# Altium PCB Anki_vector_headboard_ultra_2.PcbDoc (part 3 of 4) (continued)
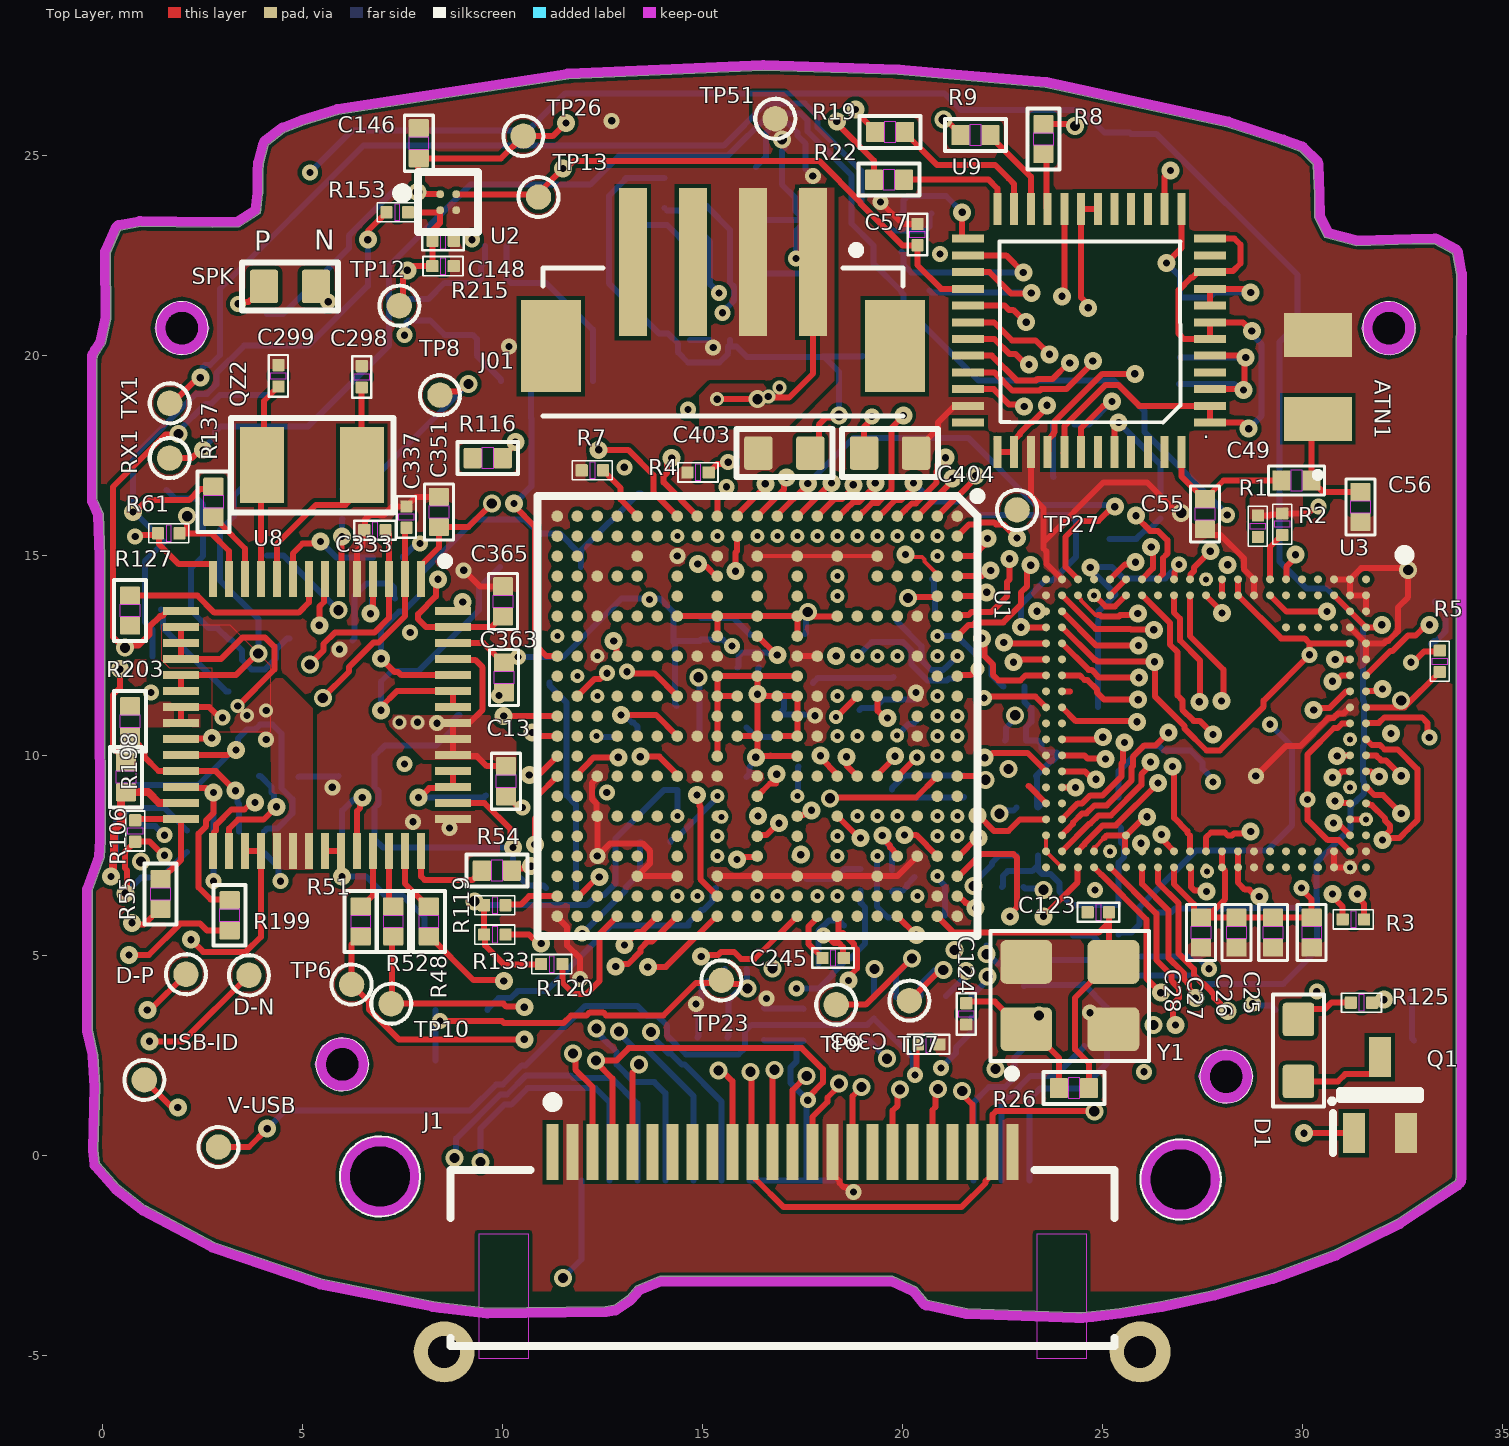
[diagram p0: Top Layer view]
## Nets (pads, with @x,y where several pads share a name; then routed paths per layer and width w, separated by ;. In a path a pad name is that pad's centre, name@x,y a point inside that pad or via, vN(x,y) a via of type N, cw(c..) or ccw(c..) an arc to the next point about the centre after c; other vN are vias at no path point) (continued)
SD1_DATA0: pad.48 U1.N18 U9.30 | length 37.1
  Top Layer w0.15: U9.30@21.634,20.821 22.283,20.821 22.738,20.366 23.327,20.366 v1(23.673,20.02)
  Int3 (Sign) w0.15: pad.48@15.367,7.474 15.367,6.477 15.013,6.123 14.428,6.123 13.71,5.405 13.71,5.348 13.227,4.865 13.227,4.549 12.992,4.314 12.628,4.314 12.364,4.578 12.364,6.001 12.742,6.379 12.742,6.712 12.816,6.786 12.816,7.556 12.266,8.106 12.266,8.867 12.015,9.117 12.015,9.639 12.981,10.604 13.128,10.604 13.362,10.838 13.362,10.985 13.487,11.111 13.487,12.833 11.97,14.35 11.97,15.056 10.975,16.051 10.975,18.29 12.501,19.816 15.419,19.816 15.772,20.17 23.442,20.17 23.592,20.02 v1(23.673,20.02)
SD1_DATA1: pad.47 U1.N17 U9.29 | length 30.7
  Top Layer w0.15: U9.29@21.634,21.239 22.551,21.239 22.656,21.133 22.762,21.133 23.072,20.823 v1(23.089,20.823)
  Int2 (GND) w0.15: pad.47@15.367,7.974 15.851,7.974 16.999,6.826 17.018,6.826 17.721,6.123 18.513,6.123 19.009,6.619 19.938,6.619 20.644,7.326 21.151,7.326 21.202,7.377 22.86,7.377 23.176,7.694 24.779,7.694 25.945,8.86 27.398,8.86 27.486,8.948 27.486,9.072 27.309,9.249 27.309,9.876 27.049,10.137 27.049,11.132 27.015,11.167 27.015,12.973 27.289,13.248 27.289,14.193 27.233,14.249 27.233,14.541 27.289,14.597 27.289,15.1 25.577,16.812 24.371,16.812 22.636,18.547 22.636,20.371 v1(23.089,20.823)
SD1_DATA2: U1.N21 U9.34 | length 39.8
  Top Layer w0.15: v1(13.629,4.699) 13.636,4.706 14.079,4.706 15.347,5.974 U1.N21@15.367,5.974 ; U9.34@21.634,19.149 22.278,19.149 22.656,18.771 22.98,18.771 v1(23.038,18.714)
  Int3 (Sign) w0.15: v1(13.629,4.699) 13.629,4.618 13.479,4.468 13.479,4.445 13.096,4.062 12.172,4.062 12.135,4.025 11.783,4.025 11.512,4.296 11.512,12.117 11.719,12.323 11.719,14.951 10.719,15.951 10.719,18.544 12.744,20.57 22.774,20.57 22.922,20.422 23.839,20.422 24.753,20.422 25.155,20.02 25.155,19.687 23.811,18.344 23.445,18.344 23.074,18.714 v1(23.038,18.714)
SD1_DATA3: pad.2 U1.P20 U9.33 | length 30.8
  Top Layer w0.15: U1.P20@14.867,6.474 U1.P20@14.867,6.512 ; U9.33@21.634,19.567 22.292,19.567 22.744,19.115 23.432,19.115 23.464,19.147 24.092,19.147 24.753,19.807 v1(24.753,19.854)
  Int3 (Sign) w0.15: pad.2@14.867,6.474 14.867,7.121 13.764,8.224 13.764,9.003 14.346,9.586 14.346,13.113 14.105,13.354 14.105,14.007 14.017,14.094 14.003,14.094 13.226,14.871 13.226,14.917 11.73,16.413 11.73,17.886 12.13,18.286 13.657,18.286 13.676,18.267 16.986,18.267 17.866,19.147 22.347,19.147 22.379,19.115 23.432,19.115 23.464,19.147 24.092,19.147 24.753,19.807 v1(24.753,19.854)
SD1_STROBE: U1.R17
SD2_CLK: U1.Y21
SD2_CMD: R120.2 U1.V21 | length 3.4
  Top Layer w0.15: R120.2@11.494,4.775 11.494,4.314 11.783,4.025 12.093,4.025 12.426,4.357 12.426,5.533 U1.V21@12.867,5.974
SD2_DATA0: R119.2 U1.AA20 | length 1.4
  Top Layer w0.15: R119.2@10.071,6.248 10.086,6.263 10.449,6.263 10.66,6.474 U1.AA20@11.367,6.474
SD2_DATA1: U1.U21
SD2_DATA2: U1.W20
SD2_DATA3: U1.V20
SD2_nCD: U1.U20
SD2_nRST: R133.2 U1.Y20 | length 4
  Top Layer w0.15: R133.2@10.071,5.512 10.663,5.512 10.883,5.291 v1(10.964,5.291) ; U1.Y20@11.867,6.474 11.903,6.474 12.38,6.951 v1(12.416,6.951)
  Int2 (GND) w0.15: v1(10.964,5.291) 10.964,5.37 11.243,5.65 11.243,5.756 12.225,6.737 12.225,6.757 12.416,6.948 v1(12.416,6.951)
SD2_VSEL: pad.50 U1.AA7 U8.29 | length 15.4
  Top Layer w0.15: U8.29@2.759,7.598 2.784,7.623 2.784,8.068 2.838,8.121 2.838,8.263 3.215,8.641 3.546,8.641 3.724,8.818 v1(3.805,8.818)
  Int2 (GND) w0.15: v1(3.805,8.818) 4.329,9.342 4.461,9.474 5.487,9.474 5.584,9.571 6.778,9.571 6.947,9.402 8.14,9.402 8.445,9.098 10.832,9.098 11.065,9.332 11.065,9.665 10.815,9.916 10.521,9.916 10.471,9.916 10.22,10.167 10.188,10.167 9.626,10.729 9.626,11.237 9.529,11.334 9.529,11.646 9.853,11.97 10.437,11.97 10.761,12.293 10.761,12.368 pad.50@11.367,12.974
SD2_WP: U1.W21
SD3_CLK: U1.J16 | length 19.1
  Top Layer w0.15: U1.J16@17.367,8.474 17.394,8.501 17.522,8.501 17.642,8.621 v1(17.723,8.621)
  Int3 (Sign) w0.15: v1(17.723,8.621) 17.781,8.564 17.917,8.564 17.946,8.535 17.985,8.495 18.391,8.495 18.878,8.982 19.522,8.982 19.617,9.077 20.117,9.077 20.212,8.982 22.979,8.982 23.186,8.775 24.959,8.775 25.044,8.86 26.815,8.86 27.387,9.432 27.387,9.489 28.808,10.91 28.808,10.929 29.579,11.7 29.579,12.447 30.016,12.884 30.89,12.884 31.496,12.278 31.496,11.391 31.907,10.98 31.907,10.874 32.211,10.57 v1(32.211,10.542)
SD3_CMD: R3.2 U1.J21 U3.B17 | length 25.4
  Top Layer w0.15: v1(14.964,4.966) 15.002,5.004 15.385,5.004 15.46,5.079 15.785,5.079 15.962,4.902 16.295,4.902 U1.J21@17.367,5.974 ; v1(30.768,8.302) 30.825,8.245 30.935,8.245 U3.B17@31.184,7.995 ; v1(31.369,6.528) 31.369,6.447 31.534,6.281 R3.2@31.534,5.893
  Int3 (Sign) w0.15: v1(14.964,4.966) 15.716,4.214 15.716,4.145 ; 15.717,4.145 15.717,3.999 16.402,3.314 22.598,3.314 23.22,3.936 25.045,3.936 26.694,5.586 27.474,5.586 27.577,5.688 28.091,5.688 28.516,6.113 28.516,6.634 29.807,7.925 30.391,7.925 v1(30.768,8.302) 31.603,7.468 31.603,6.766 31.369,6.532 v1(31.369,6.528)
SD3_DATA0: R5.2 U1.L18 U3.A9 | length 33.5
  Top Layer w0.15: v1(15.861,7.387) 15.942,7.387 16.003,7.447 16.34,7.447 U1.L18@16.367,7.474 ; U3.A9@31.584,11.195 v3@32.464,11.195 ; v3(32.464,11.364) v3@32.464,11.195 ; R5.2@33.426,12.077 32.544,11.195 v3@32.464,11.195
  Int2 (GND) w0.15: v1(15.861,7.387) 15.383,6.909 14.304,6.909 14.015,6.62 14.015,6.329 14.731,5.613 16.361,5.613 17.146,4.829 17.146,4.496 16.971,4.321 16.971,4.009 18.129,2.851 23.138,2.851 23.153,2.837 23.694,2.837 23.709,2.851 24.734,2.851 25.879,1.706 26.337,1.706 27.448,2.817 28.316,2.817 29.593,4.095 29.593,9.273 30.833,10.513 30.833,10.541 31.087,10.795 31.282,10.795 31.536,11.05 32.142,11.05 32.456,11.364 v3(32.464,11.364)
SD3_DATA1: U1.J18 U3.B7 | length 18.7
  Top Layer w0.15: U1.J18@17.367,7.474 17.405,7.474 17.441,7.511 v1(17.455,7.511) ; v1(30.748,11.846) 30.829,11.846 30.969,11.985 31.175,11.985 U3.B7@31.184,11.995
  Int3 (Sign) w0.15: v1(17.455,7.511) 17.512,7.453 17.891,7.453 18.254,7.09 18.604,7.09 19.202,6.492 19.202,6.009 19.29,5.922 21.51,5.922 21.647,5.784 21.681,5.784 21.79,5.675 22.403,5.675 22.845,5.232 24.562,5.232 26.69,7.361 26.738,7.361 27.102,7.725 27.102,7.766 27.121,7.784 27.121,8.296 27.781,8.956 27.915,8.956 28.135,9.176 28.135,9.31 28.915,10.091 29.036,10.091 29.561,10.616 29.561,11.329 30.078,11.846 v1(30.748,11.846)
SD3_DATA2: U1.N20 U3.B12 | length 29.1
  Top Layer w0.15: v1(14.861,9.003) 14.919,8.945 14.919,8.733 14.94,8.712 14.94,6.901 U1.N20@15.367,6.474 ; v1(30.864,9.976) 30.873,9.985 31.175,9.985 U3.B12@31.184,9.995
  Int3 (Sign) w0.15: v1(14.861,9.003) 15.184,9.326 16.45,9.326 17.311,8.465 17.311,8.034 17.053,7.776 17.053,7.344 17.559,6.838 18.5,6.838 18.821,6.517 18.821,5.145 18.909,5.058 19.478,5.058 20.037,4.498 20.384,4.498 20.633,4.748 20.633,4.846 20.871,5.085 20.871,5.275 21.128,5.532 21.577,5.532 21.686,5.423 22.299,5.423 22.741,4.981 24.666,4.981 26.795,7.109 26.842,7.109 27.352,7.619 27.352,7.663 27.425,7.735 27.425,8.223 27.851,8.649 28.232,8.649 28.423,8.839 28.529,8.839 28.655,8.965 28.85,8.965 29.813,9.928 29.813,11.227 30.111,11.525 30.442,11.525 30.542,11.425 30.73,11.425 30.82,11.335 30.82,11.211 30.741,11.132 30.741,10.501 30.816,10.426 30.816,10.024 v1(30.864,9.976)
SD3_DATA3: pad.8 U1.G20 U3.B13 | length 18.7
  Top Layer w0.15: v1(30.745,9.437) 30.826,9.437 30.975,9.585 31.175,9.585 U3.B13@31.184,9.595
  Int3 (Sign) w0.15: pad.8@18.367,6.474 18.397,6.444 18.397,5.338 18.242,5.183 18.242,4.202 18.477,3.967 18.627,3.817 22.39,3.817 23.05,4.478 24.874,4.478 26.986,6.589 27.11,6.589 27.198,6.501 27.198,6.422 27.432,6.188 27.764,6.188 28.016,6.44 28.016,6.841 29.415,8.24 29.415,8.711 30.141,9.437 v1(30.745,9.437)
SD3_DATA4: U1.G21 U3.B8 | length 18.4
  Top Layer w0.15: U1.G21@18.367,5.974 18.394,5.947 18.394,5.605 18.443,5.556 18.507,5.556 18.781,5.282 18.781,5.217 18.859,5.14 18.859,4.665 18.644,4.45 v1(18.644,4.369) ; v1(30.277,11.125) 30.334,11.183 30.675,11.183 31.078,11.585 31.175,11.585 U3.B8@31.184,11.595
  Int3 (Sign) w0.1: 26.899,6.858 26.925,6.884 26.935,6.884 27.602,7.551 27.606,7.555
  Int3 (Sign) w0.15: v1(18.644,4.369) 18.68,4.369 18.98,4.069 22.286,4.069 22.946,4.729 24.77,4.729 26.899,6.858 ; 27.602,7.545 27.602,7.551 27.602,7.559 28.758,8.715 28.954,8.715 30.069,9.831 30.069,10.449 30.221,10.6 30.221,11.069 v1(30.277,11.125)
SD3_DATA5: U1.L16 U3.A7 | length 36.8
  Top Layer w0.15: U1.L16@16.367,8.474 16.372,8.479 v1(16.386,8.479) ; U3.A7@31.584,11.995 32.195,12.606 32.249,12.606 32.632,12.988 32.821,12.988 33.091,13.259 v1(33.172,13.259)
  Int3 (Sign) w0.15: v1(16.386,8.479) 16.411,8.453 16.411,8.049 16.485,7.976 16.485,7.442 16.12,7.077 16.117,7.077 15.619,6.579 15.619,6.373 15.117,5.871 14.532,5.871 14.03,5.369 14.03,3.903 15.382,2.551 18.692,2.551 19.236,2.008 19.775,2.008 20.319,2.551 24.911,2.551 26.017,3.658 26.288,3.658 26.621,3.658 26.885,3.922 26.885,4.063 27.149,4.327 27.459,4.327 27.505,4.281 27.817,4.281 28.371,4.835 28.371,4.856 28.925,5.41 31.531,5.41 33.544,7.423 33.544,11.644 33.172,12.015 v1(33.172,13.259)
SD3_DATA6: pad.3 U1.L20 U3.A12 | length 27
  Top Layer w0.15: U3.A12@31.584,9.995 31.594,9.985 31.844,9.985 31.96,9.869 32.079,9.869 32.464,9.484 v1(32.464,9.482)
  Int3 (Sign) w0.15: pad.3@16.367,6.474 16.122,6.229 16.122,6.164 15.325,5.368 14.74,5.368 14.534,5.161 14.534,4.828 14.928,4.434 15.071,4.434 15.465,4.04 15.465,3.895 16.298,3.062 24.715,3.062 25.653,4.001 25.653,4.177 26.81,5.334 28.092,5.334 28.809,6.051 31.46,6.051 32.396,6.986 32.396,8.042 32.062,8.375 32.062,9.049 32.464,9.451 v1(32.464,9.482)
SD3_DATA7: pad.4 U1.K20 U3.A14 | length 28
  Top Layer w0.15: U3.A14@31.584,9.195 31.598,9.195 31.795,8.998 32.007,8.998 v1(32.464,8.541)
  Int3 (Sign) w0.15: pad.4@16.867,6.474 16.515,6.826 16.221,6.826 15.87,6.475 15.87,6.269 15.221,5.619 14.636,5.619 14.282,5.265 14.282,4.724 14.823,4.183 14.967,4.183 15.214,3.936 15.214,3.791 16.194,2.811 24.816,2.811 25.903,3.897 25.903,4.073 26.864,5.034 28.148,5.034 28.88,5.766 31.531,5.766 32.733,6.968 32.733,8.191 32.464,8.46 v1(32.464,8.541)
SD3_STROBE: pad.7 U1.H20 U3.B15 | length 18.5
  Top Layer w0.15: v1(30.809,8.855) 30.859,8.805 31.175,8.805 U3.B15@31.184,8.795
  Int3 (Sign) w0.15: pad.7@17.867,6.474 17.867,5.991 17.644,5.768 17.644,4.445 18.523,3.566 22.494,3.566 23.154,4.226 24.979,4.226 26.59,5.837 27.37,5.837 27.471,5.938 27.867,5.938 28.266,6.337 28.266,6.738 29.703,8.175 30.075,8.175 30.755,8.855 v1(30.809,8.855)
SPDIF_EXT_CLK: U1.T6
SPDIF_RX: U1.U6
SPDIF_TX: U1.V6
SW2_OUT: C285.1 L5.2 R192.1 | length 5.4
  Bottom Layer w0.15: C285.1@11.166,11.811 11.166,11.747 11.601,11.312 L5.2@11.601,8.992 11.83,8.763 R192.1@11.83,6.68
SW_EN: R137.2 U8.12 | length 1.9
  Top Layer w0.15: R137.2@2.769,15.957 2.794,15.957 2.948,15.804 2.948,15.778 3.559,15.166 U8.12@3.559,14.398
SWOUT_3V3: C273.2 TP68.1 U8.23 | length 0.8
  Top Layer w0.15: U8.23@1.959,10.398 1.973,10.411 2.716,10.411 v1(2.729,10.425)
SYS_nRST: R127.1
SYS_STATUS: Q1.1 U1.L17 | length 25
  Top Layer w0.15: U1.L17@16.367,7.974 16.394,8.001 16.594,8.001 16.892,8.299 v1(16.909,8.299) ; v1@30.023,0.559 v1(30.033,0.549) Q1.1@31.278,0.549
  Int4 (Sign) w0.15: v1(16.909,8.299) 16.909,8.287 16.263,7.64 16.263,6.867 15.94,6.545 15.94,4.57 15.466,4.096 15.466,3.782 14.991,3.308 14.991,1.948 16.1,0.838 16.917,0.838 17.591,0.164 23.051,0.164 23.458,0.572 30.01,0.572 v1(30.033,0.549)
TS_RES_EXT: pad.13 R103.1 U1.D16
UART1_RTS: U1.E12
UART2_RXD: U1.B9
UART2_TXD: U1.C11
UART3_CTS: U1.D6
UART3_RTS: U1.B6
UART3_RXD: U1.E6
UART3_TXD: U1.F6
UART4_RXD: U1.A10
UART4_TXD: U1.D10
USB1_DN: D-N.1 pad.20 U1.A17 | length 28.7
  Top Layer w0.15: v1(1.168,2.845) 2.007,2.845 D-N.1@3.658,4.496
  Int2 (GND) w0.15: v1(1.168,2.845) 1.194,2.845 3.741,5.392 7.552,5.392 8.103,5.944 8.459,5.944 8.711,5.692 9.767,5.692 10.019,5.944 11.06,5.944 11.975,6.859 11.975,7.612 12.761,8.398 13.217,8.398 14.148,9.329 14.62,9.329 14.845,9.554 15.288,9.554 15.996,8.846 15.996,8.657 15.984,8.645 15.984,8.313 15.996,8.301 15.996,8.249 17.374,6.871 19.833,6.871 20.54,7.577 20.97,7.577 pad.20@21.367,7.974
USB1_DP: D-P.1 pad.19 U1.B17 | length 26
  Top Layer w0.15: v1(1.117,3.631) 1.193,3.631 D-P.1@2.083,4.521
  Int2 (GND) w0.15: v1(1.117,3.631) 2.212,4.727 2.721,4.727 3.637,5.644 7.447,5.644 7.747,5.944 7.999,6.195 8.564,6.195 8.58,6.179 8.89,6.179 9.125,5.944 9.663,5.944 10.038,6.319 11.081,6.319 11.725,6.962 11.725,7.716 12.657,8.648 13.111,8.648 14.044,9.581 14.516,9.581 14.74,9.805 15.392,9.805 15.655,9.543 15.807,9.543 16.469,8.881 16.519,8.881 16.53,8.87 16.906,8.87 17.322,8.455 17.322,8.212 17.856,7.677 17.856,7.488 18.221,7.123 19.729,7.123 20.542,7.936 20.829,7.936 pad.19@20.867,7.974
USB1_ID: U1.D14 USB-ID.1 | length 30.3
  Top Layer w0.15: USB-ID.1@1.041,1.88 1.727,1.194 v1(1.88,1.194) ; U1.D14@19.867,9.474 19.877,9.474 20.349,9.946 v2(20.359,9.946)
  Int2 (GND) w0.15: v1(1.88,1.194) 0.259,2.815 0.259,5.17 0.494,5.405 1.646,5.405 2.388,6.147 7.239,6.147 8.091,6.998 9.562,6.998 9.739,6.822 10.877,6.822 11.225,7.169 11.225,8.056 11.973,8.804 11.973,9.325 12.141,9.493 12.141,9.762 12.73,10.351 13.264,10.351 13.275,10.362 16.892,10.362 17.699,9.555 17.899,9.555 17.916,9.573 18.457,9.573 18.475,9.555 19.968,9.555 v2(20.359,9.946)
USB1_VBUS: C393.1 R108.2 V-USB.1 | length 21.7
  Top Layer w0.15: V-USB.1@2.896,0.203 3.658,0.203 v1(4.115,0.66) ; v2(20.306,2.006) 20.345,2.044 20.345,2.73 C393.1@20.383,2.769
  Bottom Layer w0.15: v1(4.115,0.66) 4.572,1.118 9.187,1.118 9.836,1.767 10.003,1.767 10.482,2.245 10.577,2.245 12.065,3.734 13.365,3.734 13.624,3.476 13.876,3.476 14.111,3.24 14.111,2.988 14.583,2.516 15.897,2.516 16.056,2.675 16.056,3.097 16.215,3.256 19.119,3.256 R108.2@19.279,3.416 20.264,2.431 20.264,2.048 v2(20.306,2.006)
VDD_1V8: C3.1 C5.1 C18.1 C19.1 C20.1 C21.1 C22.1 C23.1 C24.1 C146.1 C266.1 C317.1 C404.1 C493.1 C494.1 J1.10 J1.11 J1.23 L13.2 pad.15 pad.45 R3.1 R5.1 R6.2 R10.1 R11.1 R12.1 R13.1 R14.1 R15.1 R16.1 R17.1 R47.2 R61.2 R77.2 R78.2 R79.2 R106.1 R196.1 R197.1 R216.2 SPK.2 TP26.1 U1.G10 U1.L15 U1.N15 U2.A1 U3.AA15 U3.B5 U3.J1 U3.J2 U3.J18 U3.J19 U3.Y4 U8.14 | length 79.6
  Top Layer w0.15: v1(0.566,6.544) 0.614,6.592 0.614,7.116 0.558,7.172 0.558,7.581 R106.1@0.813,7.836 1.175,7.836 1.515,7.495 v2(1.546,7.495) ; v2(0.813,15.469) 0.851,15.507 1.346,15.507 R61.2@1.384,15.545 1.407,15.521 1.407,15.272 1.906,14.773 2.734,14.773 2.759,14.748 U8.14@2.759,14.398 ; v2(3.389,21.282) 3.437,21.329 3.646,21.329 3.69,21.373 3.753,21.373 4.034,21.653 SPK.2@4.034,21.717 ; v3(7.874,24.079) v3@7.95,24.155 ; C146.1@7.903,24.92 C146.1@7.928,24.92 ; U2.A1@8.439,24.022 8.43,24.032 8.013,24.032 7.95,24.094 v3@7.95,24.155 ; v1(11.582,25.806) 11.252,25.476 TP26.1@10.516,25.476 9.96,24.92 C146.1@7.928,24.92 ; v3(15.392,2.114) 15.474,2.114 15.741,1.846 15.747,1.846 J1.10@15.747,0.076 ; v3(16.196,2.083) 16.221,2.057 16.221,0.102 J1.11@16.247,0.076 16.247,-0.474 16.322,-0.549 16.322,-0.599 17.025,-1.302 21.468,-1.302 22.073,-0.697 22.073,-0.647 22.247,-0.474 22.247,1.012 22.334,1.1 24.786,1.1 v3(24.79,1.096) ; U1.L15@16.367,8.974 16.683,9.29 16.834,9.29 16.838,9.294 16.838,9.51 v1(16.851,9.523) ; C404.1@19.035,17.551 19.035,18.204 19.228,18.397 v2(19.228,18.465) ; 23.148,9.232 U3.AA15@23.584,8.795 ; U3.Y4@23.984,13.195 24.798,12.381 24.828,12.381 24.872,12.337 26.288,12.337 v1(26.293,12.332) 26.312,12.313 26.312,11.463 27.049,10.726 27.049,10.661 27.596,10.114 27.929,10.114 29.026,11.212 29.026,11.362 v2(30.172,12.507) 30.172,12.795 ; U3.J18@28.384,7.595 U3.J19@28.384,7.195 28.384,6.809 28.555,6.638 28.665,6.638 28.835,6.469 v1(28.916,6.469) ; U3.J1@28.384,14.395 U3.J2@28.384,13.995 29.461,12.918 30.048,12.918 30.172,12.795 ; v1(30.745,6.528) 30.745,6.466 31,6.211 R3.1@31,5.893 ; U3.B5@31.184,12.795 30.172,12.795 ; v2(32.708,12.321) 32.762,12.321 33.036,12.595 33.41,12.595 R5.1@33.426,12.611 ; C146.1@7.928,24.92 7.888,24.881 7.888,24.217 v3@7.95,24.155
  Int3 (Sign) w0.15: v1(28.916,6.469) 28.922,6.475 29.402,6.475 29.576,6.301 30.437,6.301 30.664,6.528 v1(30.745,6.528)
  Int1 (Sign) w0.15: v2(2.774,6.847) 2.841,6.847 3.921,7.926 6.045,7.926 7.077,8.958 7.077,9.312 v2(7.544,9.779)
  Bottom Layer w0.15: v1(0.566,6.544) 0.958,6.936 1.463,6.936 R196.1@2.108,7.582 ; R197.1@2.769,7.556 2.771,7.553 2.771,6.849 v2(2.774,6.847) ; L13.2@4.115,21.025 4.508,21.025 6.157,22.673 6.157,22.981 7.281,24.105 7.849,24.105 v3(7.874,24.079) ; R216.2@14.193,7.823 14.193,7.849 14.346,8.002 14.429,8.002 15.367,8.94 pad.45@15.367,8.974 ; C494.1@19.73,9.144 19.73,9.169 20.047,9.487 C21.1@20.955,9.487 C3.1@21.539,9.487 ; R11.1@22.484,6.709 22.508,6.732 22.508,6.982 22.627,7.101 23.239,7.101 23.358,7.22 ; R10.1@23.051,11.709 23.051,11.326 23.216,11.161 23.216,10.829 23.089,10.702 R16.1@23.089,10.363 23.383,10.363 23.471,10.275 23.471,10.169 23.574,10.066 23.849,10.066 C266.1@23.901,10.014 23.748,9.86 23.716,9.86 R15.1@23.33,9.474 23.358,9.447 23.358,8.71 R13.1@23.381,8.687 R13.1@23.453,8.759 ; R12.1@23.381,7.493 23.381,7.131 23.479,7.033 23.69,7.033 23.924,6.799 23.924,6.588 24.078,6.434 24.078,6.396 24.25,6.224 R47.2@24.288,6.224 ; R47.2@24.257,6.242 24.27,6.255 25.387,6.255 R78.2@25.4,6.268 25.4,7.316 25.534,7.45 25.534,7.74 25.455,7.819 25.455,8.184 R79.2@25.4,8.239 ; C23.1@26.319,6.06 26.704,6.06 26.807,6.163 28.118,6.163 28.127,6.172 29.901,6.172 C20.1@29.926,6.147
  other v2: 30.353,4.089
VDD_3V3: C1.2 C4.2 C6.2 C7.2 C8.1 C10.2 C11.2 C12.2 C14.2 C15.2 C16.2 C30.1 C44.1 C45.1 C46.1 C47.1 C48.1 C58.2 C59.2 C60.2 C61.2 C260.1 C264.1 C276.1 C311.1 C403.1 C495.1 J1.4 K1.9 K1.10 K1.11 K1.12 L11.2 R32.2 R33.2 R34.2 R35.2 R125.1 R137.1 R153.1 R200.1 R201.1 TP25.1 U1.F14 U1.G8 U1.R10 U3.A4 U3.A8 U3.A11 U3.A13 U3.A15 U3.B3 U3.B6 U3.B10 U3.B18 U3.C2 U4.5 U4.8 U8.21 U8.22 U9.1 U9.2 U9.6 U9.7 U9.10 U9.12 U9.14 U9.37 U9.38 U9.41 | length 101.5
  Top Layer w0.15: v1(0.762,16.078) 0.805,16.078 1.102,16.375 2.161,16.375 2.441,16.655 2.716,16.655 R137.1@2.769,16.707 ; U8.22@1.959,10.798 U8.21@1.959,11.198 2.667,11.198 2.93,10.936 v2(2.997,10.936) ; v1(6.629,22.885) 6.629,23.102 R153.1@7.099,23.571 ; J1.4@12.747,0.076 12.747,1.909 12.336,2.32 v3(12.336,2.363) 12.843,2.363 13.152,2.672 17.479,2.672 18.004,2.148 18.004,1.815 17.628,1.439 v2(17.628,1.372) ; v2(13.111,12.086) 13.152,12.045 13.796,12.045 U1.R10@14.367,11.474 ; C403.1@17.693,17.551 17.903,17.761 17.903,18.258 18.081,18.436 18.355,18.436 v3(18.412,18.494) ; v1(18.339,12.479) 18.343,12.474 U1.G8@18.367,12.474 ; v1(18.593,9.957) 18.593,9.748 U1.F14@18.867,9.474 ; U9.37@22.345,17.902 22.37,17.877 U9.37@22.37,17.577 U9.38@22.788,17.577 ; U9.38@22.813,17.552 U9.38@22.788,17.577 ; v1(23.611,18.745) 23.611,18.697 23.226,18.312 23.192,18.312 22.93,18.05 22.93,18.018 22.813,17.902 22.813,17.602 U9.38@22.788,17.577 ; U9.41@24.017,17.552 U9.41@24.042,17.577 24.042,18.226 25.065,19.248 25.398,19.248 25.915,18.731 U9.2@27.679,18.731 U9.1@27.679,18.313 28.499,18.313 v1(28.651,18.161) ; U9.14@26.55,23.647 26.55,24.467 v1(26.695,24.613) ; U9.12@27.679,22.911 28.296,22.911 28.446,22.76 28.446,22.291 28.255,22.1 27.704,22.1 U9.10@27.679,22.075 27.379,22.075 27.24,21.936 27.209,21.936 26.899,21.626 26.899,20.535 27.03,20.403 U9.6@27.679,20.403 U9.7@27.679,20.821 28.506,20.821 v1(28.727,20.599) ; U3.C2@30.784,13.995 U3.B3@31.184,13.595 U3.A4@31.584,13.195 31.915,13.195 v1(31.979,13.259) ; v1@30.814,12.394 U3.B6@31.184,12.395 ; U3.B18@31.184,7.595 30.908,7.872 30.631,7.872 30.124,8.378 v2(30.124,8.89) 30.124,10.017 30.784,10.677 30.876,10.677 30.985,10.785 31.184,10.785 U3.B10@31.193,10.795 ; U3.A15@31.584,8.795 31.594,8.785 31.652,8.785 31.691,8.747 31.73,8.747 32.063,8.414 32.063,8.361 32.181,8.243 32.181,8.113 32.051,7.984 v1@32.051,7.933 ; U3.A13@31.584,9.595 31.594,9.585 31.713,9.585 31.832,9.467 v1(31.913,9.467) ; U3.A11@31.584,10.395 31.733,10.247 31.939,10.247 32.045,10.14 32.374,10.14 32.866,9.649 32.866,8.708 ; U3.A8@31.584,11.595 31.594,11.605 31.945,11.605 v1(31.995,11.654) ; v1(31.994,7.876) v1@32.051,7.933 ; 32.866,8.708 32.866,8.375 32.631,8.14 32.424,7.933 v1@32.051,7.933
  Int6 (Sign) w0.15: v3(5.895,13.622) 5.899,13.622 6.215,13.938 8.321,13.938 8.835,13.423 12.773,13.423 13.178,13.019 13.178,12.62 13.111,12.553 v2(13.111,12.086) ; v2(30.124,8.89) 30.124,8.38 30.629,7.876 v1(31.994,7.876)
  Bottom Layer w0.15: C276.1@1.245,12.465 1.245,13.143 1.055,13.333 1.055,14.845 1.537,15.327 0.785,16.078 v1(0.762,16.078) 0.762,17.462 2.333,19.033 2.609,19.033 2.844,19.268 2.844,19.544 3.539,20.239 5.138,20.239 6.629,21.73 v1(6.629,22.885) ; R200.1@4.039,7.556 4.402,7.193 4.402,6.894 v2(4.45,6.847) ; L11.2@4.115,14.992 4.517,14.992 5.888,13.622 v3(5.895,13.622) ; R32.2@14.046,24.429 13.081,24.429 R35.2@13.056,24.403 13.056,24.378 12.654,23.977 12.654,21.795 13.914,20.535 U4.8@14.027,20.535 14.139,20.535 14.385,20.289 14.385,20.065 14.633,19.816 15.419,19.816 15.639,20.037 15.639,20.21 U4.5@15.689,20.26 ; U4.5@15.689,20.373 U4.5@15.689,20.26 ; K1.9@16.169,-0.635 K1.10@16.869,-0.635 K1.11@17.569,-0.635 ; C58.2@16.535,2.877 16.548,2.864 17.513,2.864 C59.2@17.526,2.851 17.476,2.851 17.351,2.726 17.351,2.346 17.201,2.195 17.201,1.799 v2(17.628,1.372) 17.598,1.342 17.598,-0.606 K1.11@17.569,-0.635 ; C495.1@17.755,11.805 17.877,11.927 19.742,11.927 C264.1@19.765,11.95 ; K1.12@18.269,-0.635 K1.11@17.569,-0.635 ; v3(18.412,18.494) 18.412,19.579 18.033,19.958 C61.2@17.983,19.958 ; C60.2@18.999,19.983 18.986,19.971 17.996,19.971 C61.2@17.983,19.958 ; v1(28.651,18.161) 28.977,18.486 28.977,20.269 28.727,20.518 v1(28.727,20.599) ; TP25.1@32.69,3.912 32.734,3.867 32.734,2.915 C30.1@32.778,2.87 ; U4.5@15.689,20.26 15.739,20.21 15.852,20.21 16.104,19.958 C61.2@17.983,19.958
  other v1: 32.029,3.886 30.813,12.393
VDD_ARM: C35.1 C36.1 C37.1 C38.1 C39.1 C40.1 C41.1 C42.1 C43.1 pad.66 R1.1 R2.1 U3.AA3 U3.AA16 U3.L2 U3.L18 U3.T2 U3.T18 U3.V2 U3.V18 | length 20.9
  Top Layer w0.1: U3.V18@24.794,7.681 25.035,7.922 25.035,7.925
  Top Layer w0.15: v1(21.868,8.49) 21.898,8.49 22.281,8.107 22.646,8.107 22.933,8.395 U3.AA16@23.584,8.395 ; v1(23.359,13.597) U3.AA3@23.584,13.596 ; U3.V18@24.784,7.595 24.794,7.605 U3.V18@24.794,7.681 ; U3.V2@24.784,13.995 24.793,13.995 25.07,13.718 25.308,13.718 U3.T2@25.584,13.995 U3.T2@25.594,13.985 ; 25.035,7.925 25.105,7.995 U3.T18@25.584,7.995 ; U3.T18@25.584,7.595 25.584,7.609 25.56,7.633 25.56,7.957 25.584,7.981 U3.T18@25.584,7.995 ; v1(26.111,8.458) 26.056,8.458 25.593,7.995 U3.T18@25.584,7.995 ; U3.L18@27.584,7.595 27.584,7.942 27.707,8.065 28.057,8.065 28.132,7.99 28.238,7.99 28.282,8.034 28.643,8.034 v1(28.7,8.091) ; U3.L2@27.584,13.995 27.584,13.981 27.983,13.583 v1(27.983,13.55) ; R1.1@28.88,15.99 29.189,15.99 29.216,16.017 29.466,16.017 R2.1@29.489,16.04 30.146,16.04 30.323,16.218 v2(30.391,16.218)
  Int3 (Sign) w0.15: v1(21.868,8.49) 21.898,8.49 22.255,8.133 22.916,8.133 23.15,8.367 24.576,8.367 24.68,8.262 25.257,8.262 25.453,8.458 v1(26.111,8.458)
  Int1 (Sign) w0.15: pad.66@24.784,13.995 26.147,13.995 26.593,13.55 v1(27.983,13.55)
  Int5 (PWR) w0.15: v1(27.983,13.55) 29.192,14.758 29.192,15.018 v2(30.391,16.218)
VDD_PHY_1V2: C244.1 C351.1 pad.16 U1.F12 U8.1 | length 22.1
  Top Layer w0.15: U8.1@7.959,14.398 7.959,14.748 8.407,15.196 8.407,15.678 8.382,15.703 9.143,15.703 v3(9.728,16.288)
  Int2 (GND) w0.15: v2(14.63,18.644) 14.583,18.596 14.583,18.256 14.529,18.203 14.529,18.053 14.88,17.701 14.88,16.129 14.764,16.012 14.764,15.875 14.676,15.787 14.552,15.787 14.513,15.826 14.221,15.826 13.99,15.595 13.99,14.818 14.434,14.374 14.916,14.374 15.004,14.286 15.004,14.082 16.114,12.972 16.114,12.689 16.63,12.173 16.64,12.173 16.735,12.078 17.565,12.078 18.261,12.077 18.867,11.471 pad.16@18.867,10.474
  Int1 (Sign) w0.15: v3(9.728,16.288) 9.728,17.81 10.562,18.644 v2(14.63,18.644)
VDD_SNVS_0V8: C9.1 C337.1 pad.44 R113.1 U1.J15 U8.2 | length 64.2
  Top Layer w0.15: v3(5.503,11.43) 6.163,12.09 6.163,12.209 6.765,12.811 6.897,12.811 7.559,13.474 U8.2@7.559,14.398 7.559,15.649 C337.1@7.595,15.684
  Int2 (GND) w0.15: v3(21.295,5.131) 21.347,5.131 22.225,6.009 22.225,6.076 23.024,6.874 23.068,6.874 23.385,7.19 24.087,7.19 24.246,7.031 24.848,7.031 24.875,7.005 24.961,7.005 25.4,6.566 25.4,4.216 25.942,3.674 25.942,3.582 v3(26.267,3.256)
  Int3 (Sign) w0.15: v3(5.503,11.43) 6.693,10.24 7.616,10.24 8.298,9.558 8.298,8.338 8.294,8.335 8.294,4.574 11.874,0.995 21.451,0.995 21.957,1.501 21.957,1.79 v3(22.317,2.15)
  Int1 (Sign) w0.15: v3(16.745,4.662) 16.826,4.662 16.989,4.826 17.114,4.826 17.219,4.931 17.219,7.003 17.053,7.168 17.053,7.874 17.311,8.132 17.311,8.777 17.329,8.794 17.329,8.936 pad.44@17.367,8.974
  Int4 (Sign) w0.15: v3(16.745,4.662) 16.802,4.605 16.802,4.24 16.974,4.068 16.974,3.756 15.794,2.576 15.794,1.916 16.544,1.166 16.945,1.166 17.695,0.416 22.947,0.416 25.435,2.904 25.915,2.904 v3(26.267,3.256) ; v3(21.295,5.131) 21.237,5.073 20.896,5.073 20.633,4.81 20.633,4.748 20.614,4.728 20.614,4.331 22.317,2.628 v3(22.317,2.15)
  Bottom Layer w0.15: pad.44@17.367,8.974 17.383,8.99 17.383,9.699 C9.1@17.399,9.715